# KiCad board ESP32-P4-PC_Rev_B.kicad_pcb (continued)
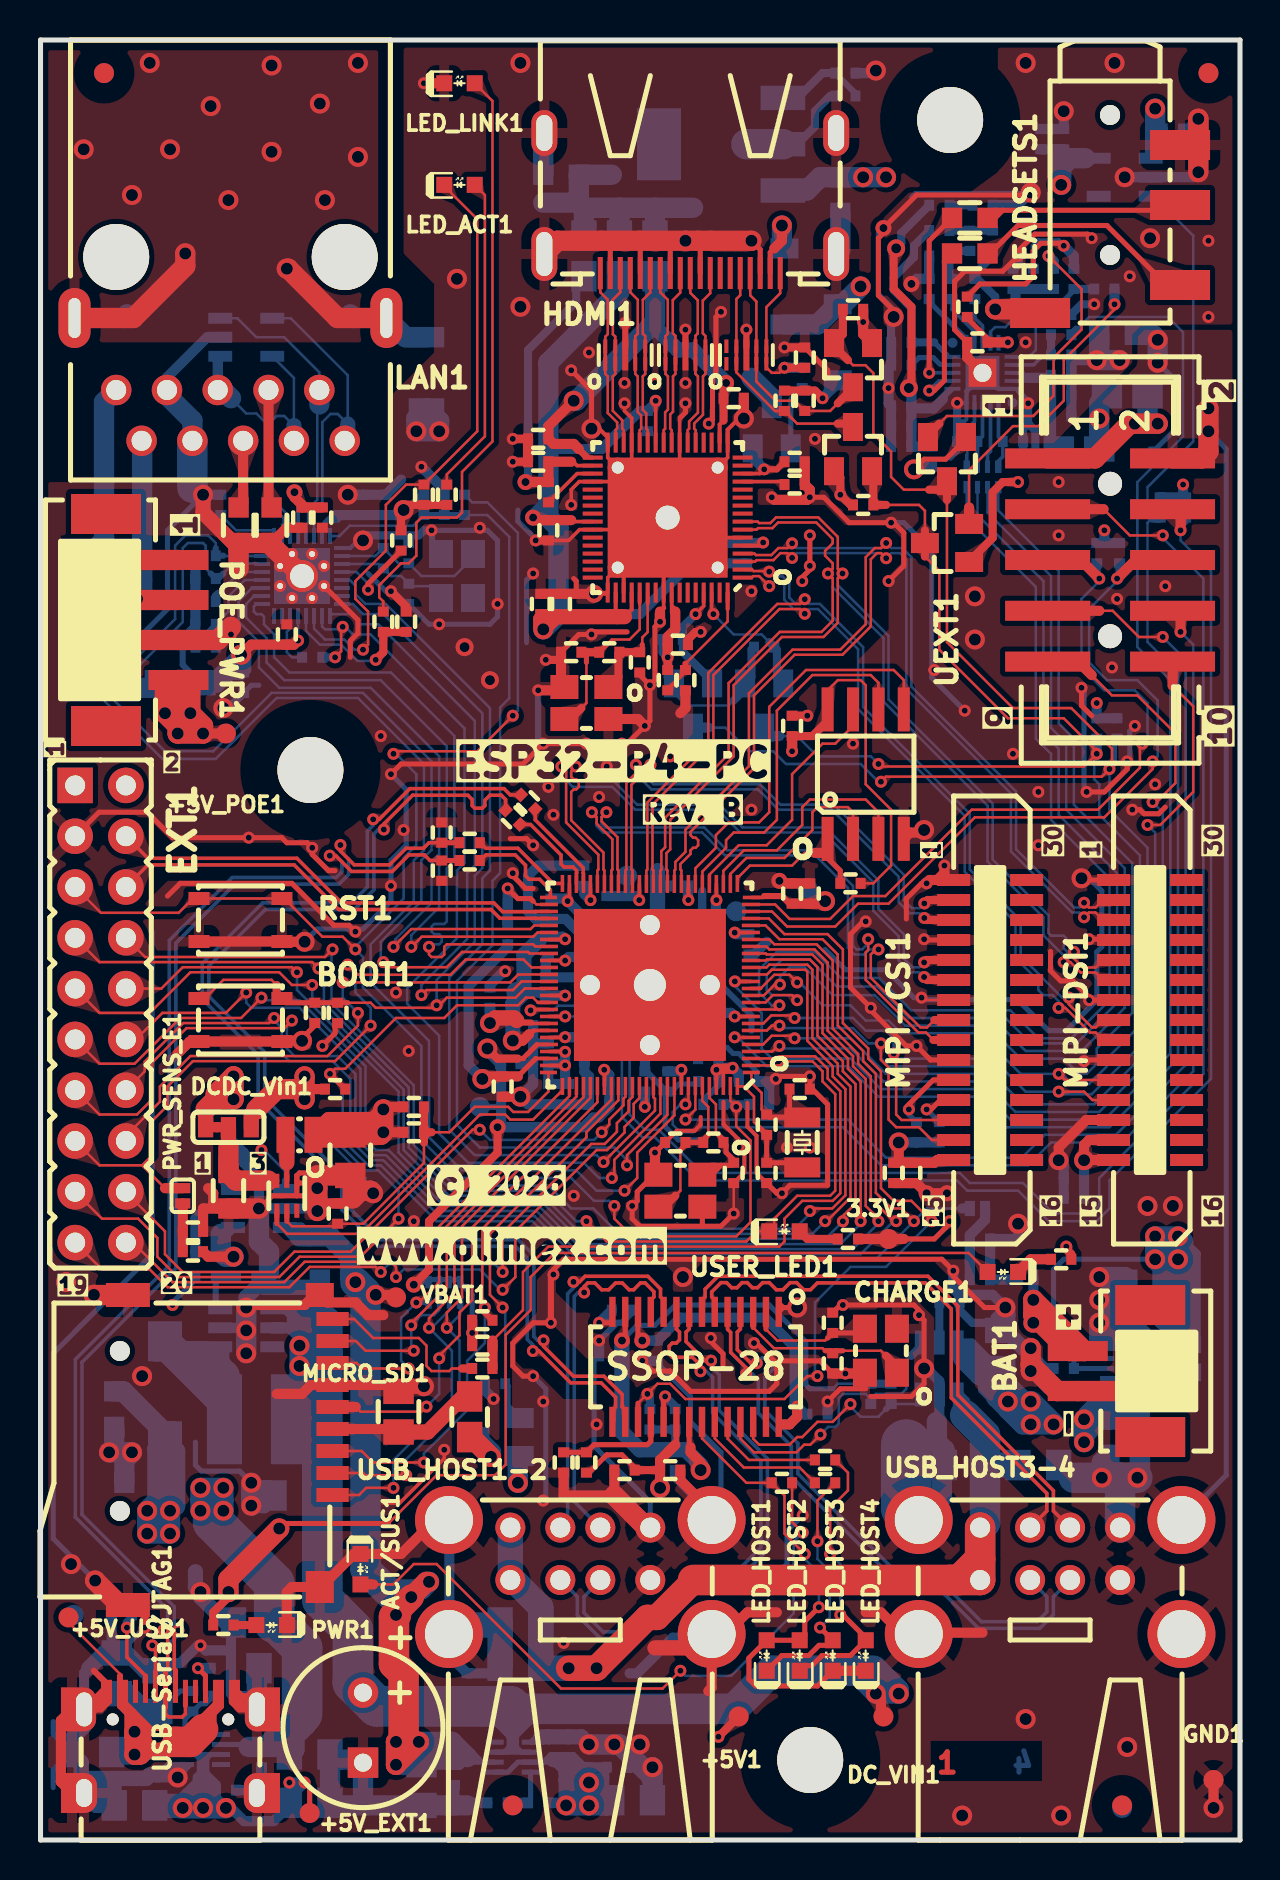
[diagram p0: board, top side]
## Routing (per net, layer and track width the routed paths; a pad name or vN(x,y) marks a point on that pad's centre or on a via; arc(x,y) is an arc through that point) (continued)
  Top w0.178: U10.6 U10.5
/TX_CKP: length 8.9
  Top w0.127: HDMI1.10 32.5,77.36 32.87,76.99 32.87,75.33 32.76,75.21 U10.7 ; U10.4 32.76,73.3 32.88,73.18 32.88,71.37 32.44,70.93 32.44,70.56 32.37,70.49 U12.22
  Top w0.178: U10.4 U10.7
/TX_HPD: length 3.6
  Top w0.178: v1(36.2,68.53) 35.98,68.32 U12.14
  Top w0.305: R65.1 36.83,68.53 v1(36.2,68.53)
  Bottom w0.508: Q5.2 35.62,69.1 v1(36.2,68.53)
/UART0_RX: length 73.1
  Top w0.127: 26.24,41.18 v1(26.24,41.18)
  Top w0.178: 25.43,41.18 26.24,41.18
  Top w0.508: v1(57.02,65.48) 57.02,66.5 56.99,66.54 UEXT1.4
  Bottom w0.127: v1(26.24,41.18) 26.98,41.18 29.08,39.07 29.08,36.15 30.1,35.13 30.74,35.13 32.89,32.97 45.85,32.97 46.36,32.47 48.9,32.47 50.42,30.94 52.83,30.94 53.47,31.58 53.47,32.98 58.55,38.06 58.55,63.45 57.02,64.98 v1(57.02,65.48)
  Bottom w0.406: v1(57.02,65.48) 57.02,65.74 57.28,65.99 R33.1
/UART0_TX: length 78.6
  Top w0.127: v1(56.13,65.23) 54.48,65.23 53.18,66.54
  Top w0.178: v1(24.51,41.48) 24.56,41.53 25.43,41.53
  Top w0.508: UEXT1.3 53.18,66.54
  Bottom w0.127: v1(56.13,65.23) 56.13,65.1 58.17,63.07 58.17,38.31 52.96,33.1 52.96,31.7 52.58,31.32 50.67,31.32 49.15,32.85 46.48,32.85 45.97,33.35 33.08,33.35 30.93,35.51 30.23,35.51 29.47,36.28 29.47,39.32 27.08,41.71 25.88,41.71 25.66,41.48 v1(24.51,41.48)
/USB1P1_0+: length 5.1
  Top w0.178: R25.2 22,48.97 22.28,49.25 23.75,49.25 24.26,48.74 24.26,48.21 24.44,48.04 24.96,48.04 25.5,47.5 25.5,47.22 U1.53
/USB1P1_0-: length 5
  Top w0.178: U1.52 25.64,47.83 23.88,49.58 22.28,49.58 22,49.86 R26.2
/USB1P1_0N: length 64.3
  Top w0.178: 6.75,8.48 6.69,8.54 6.69,10.28 v1(6.9,10.49) ; v1(15,49.75) 15,49.45 15.69,48.76 17.46,48.76 18.28,49.58 19.15,49.58 19.43,49.86 C27.1 ; v1(5.59,9.73) 5.75,9.57 5.75,8.43
  Top w0.254: USB-Serial/JTAG1.A7 6.75,8.48 ; R26.1 C27.1 ; 5.75,8.43 USB-Serial/JTAG1.B7
  Bottom w0.178: v1(5.59,9.73) 6.35,9.73 6.9,10.28 v1(6.9,10.49) 6.69,10.7 6.69,11.66 2.07,16.28 2.07,23.89 6.77,28.59 6.77,44.84 9.72,47.79 14.93,47.79 15.41,48.27 15.41,49.04 15,49.45 v1(15,49.75)
/USB1P1_0P: length 63.6
  Top w0.178: v1(14.47,49.22) 14.77,49.22 15.55,48.43 17.6,48.43 18.42,49.25 19.2,49.25 19.48,48.97 C28.1 ; 7.25,6.72 7.25,6.31 7.09,6.15 6.4,6.15 6.25,6.3 6.25,6.63 ; v1(6.15,10.49) 6.36,10.28 6.36,8.54 6.25,8.44
  Top w0.254: R25.1 C28.1 ; 7.25,6.72 USB-Serial/JTAG1.B6 ; 6.25,8.44 USB-Serial/JTAG1.A6 6.25,6.63
  Bottom w0.178: v1(14.47,49.22) 14.77,49.22 15.08,48.91 15.08,48.41 14.79,48.12 9.58,48.12 6.44,44.98 6.44,28.72 1.74,24.02 1.74,16.14 6.36,11.52 6.36,10.7 v1(6.15,10.49)
/USB_D1+: length 18.4
  Top w0.178: v1(27.19,27.37) 27.19,27.67 27.37,27.85 27.73,27.85 28.07,27.51 28.42,27.51 28.76,27.85 29.1,27.85 29.44,27.51 29.67,27.51 30.01,27.85 30.24,27.85 30.68,27.41 30.68,27.15 30.53,27 U7.11
  Bottom w0.178: USB_HOST1-2.1.3 26.7,16.92 26.7,27.18 26.89,27.37 v1(27.19,27.37)
/USB_D1-: length 18.5
  Top w0.178: U7.10 31.17,27 31.01,27.15 31.01,27.55 30.38,28.19 27.24,28.19 26.96,27.91 v1(26.66,27.91)
  Bottom w0.178: v1(26.66,27.91) 26.66,27.61 26.37,27.31 26.37,15.99 USB_HOST1-2.1.2
/USB_D2+: length 27.8
  Top w0.178: U7.9 31.81,25.55 31.96,25.4 31.96,25.01 31.8,24.84 31.6,24.84 31.45,24.69 31.45,24.29 31.6,24.13 32.61,24.13 33.01,23.73 v1(33.01,23.44)
  Bottom w0.178: v1(33.01,23.44) 33.31,23.44 33.62,23.13 33.62,21.35 36.03,18.93 36.03,14.63 34.6,13.2 32.64,13.2 29.85,10.41 28.15,10.41 27.18,11.37 27.18,12.17 28.02,13
/USB_D2-: length 27.8
  Top w0.178: v1(33.54,23.97) 33.24,23.97 32.29,24.92 32.29,25.4 32.45,25.55 U7.8
  Bottom w0.178: 26.02,13 26.85,12.17 26.85,11.23 28.01,10.07 29.98,10.07 32.78,12.87 34.74,12.87 36.36,14.49 36.36,19.07 33.95,21.48 33.95,23.26 33.54,23.67 v1(33.54,23.97)
/USB_D3+: length 28.1
  Top w0.178: U7.7 33.09,27 33.24,27.15 33.24,27.54 33.89,28.19 44.39,28.19 45.89,26.69 45.89,22.25 50.67,17.47 50.67,16.45 USB_HOST3-4.1.3
/USB_D3-: length 28
  Top w0.178: USB_HOST3-4.1.2 50.33,16.45 50.33,17.33 45.56,22.11 45.56,26.55 44.26,27.85 38.86,27.85 38.52,27.51 38.18,27.51 37.82,27.87 37.49,27.87 37.14,27.51 36.81,27.51 36.45,27.87 36.12,27.87 35.87,27.61 35.61,27.61 35.35,27.87 35.09,27.87 34.84,27.61 34.57,27.61 34.32,27.87 34.04,27.87 33.57,27.4 33.57,27.15 33.73,27 U7.6
/USB_D4+: length 28.3
  Top w0.178: v1(35.29,23.31) 35.29,23.61 34.52,24.38 34.52,25.38 34.37,25.53 U7.5
  Bottom w0.178: v1(35.29,23.31) 35.59,23.31 35.9,23 35.9,21.35 37.55,19.7 37.55,18.17 42.73,13 44.51,13 46.92,10.58 49.98,10.58 50.67,11.27 50.67,12.17 USB_HOST3-4.2.3
/USB_D4-: length 28.3
  Top w0.178: v1(35.83,23.84) 35.53,23.84 34.85,24.52 34.85,25.39 35.01,25.55 U7.4
  Bottom w0.178: USB_HOST3-4.2.2 50.33,12.17 50.33,11.4 49.84,10.91 47.06,10.91 44.65,13.33 42.87,13.33 37.89,18.31 37.89,19.83 36.23,21.48 36.23,23.14 36.63,23.53 36.63,23.88 36.4,24.11 36.09,24.11 v1(35.83,23.84)
/USB_D+: length 4.7
  Top w0.178: R15.1 24.51,50.77 26.04,49.25 26.04,48.8 26.19,48.64 26.64,48.64 26.82,48.47 26.82,48.35 26.81,48.34 U1.50
/USB_D-: length 4.7
  Top w0.178: R14.1 24.74,51.01 27.15,48.61 27.15,48.35 27.16,48.34 U1.49
/USB_DN: length 58.1
  Top w0.178: U7.15 28.61,21.5 28.76,21.65 28.76,22.14 28.04,22.86 26.52,22.86 24.93,24.45 v1(24.63,24.45) ; v1(16.64,51.03) 16.94,51.03 18.47,52.57 23.18,52.57 23.5,52.26 R14.2
  Bottom w0.178: v1(16.64,51.03) 16.64,50.73 16.35,50.44 16.35,47.65 15.55,46.85 11.11,46.85 8.09,43.84 8.09,42.05 10.88,39.25 10.88,36.97 15.08,32.78 15.08,31.51 16.9,29.68 23.76,29.68 24.35,29.09 24.35,25.03 24.63,24.75 v1(24.63,24.45)
/USB_DP: length 58.2
  Top w0.178: U7.16 29.25,21.5 29.09,21.65 29.09,22.28 28.18,23.19 26.66,23.19 25.16,24.69 v1(25.16,24.98) ; v1(17.17,50.52) 17.17,50.8 18.61,52.24 21.38,52.24 21.59,52.02 21.59,51.72 21.72,51.59 22.1,51.59 22.23,51.72 22.23,51.98 22.48,52.24 23.05,52.24 23.26,52.02 R15.2
  Bottom w0.178: v1(25.16,24.98) 24.86,24.98 24.68,25.17 24.68,29.23 23.89,30.01 17.04,30.01 15.41,31.64 15.41,32.91 11.22,37.11 11.22,39.39 8.42,42.19 8.42,43.7 11.25,46.52 15.69,46.52 16.68,47.51 16.68,50.3 16.9,50.52 v1(17.17,50.52)
/VD18_O: length 15.6
  Top w0.254: v4(30.1,24.97) 29.89,25.19 U7.12 ; 37.05,20.78 U7.28
  Top w0.508: 37.05,20.78 37.47,20.78 37.85,21.16 v1(37.85,21.67)
  Bottom w0.508: v4(30.1,24.97) C70.1 32,26.11 36.25,26.11 37.72,24.64 37.72,21.8 38.23,21.29 C71.1
/VD33_O: length 33.6
  Top w0.254: v4(29.08,24.97) 29.25,25.14 U7.13 ; U7.21 32.45,19.7 32.51,19.64
  Top w0.508: 32.51,19.64 32.51,19.38 33.02,18.88 v2(33.02,18.5)
  Bottom w0.127: 39.62,22.56 39.88,22.81 41.02,22.81
  Bottom w0.254: v4(29.08,24.97) 29.85,25.73 30.74,25.73 31.75,26.75 36.45,26.75 38.28,24.92 38.28,22.76 38.48,22.56 39.62,22.56
  Bottom w0.305: R66.2 41.02,22.81 ; C68.1 31.5,19.51
  Bottom w0.406: R54.1 R55.1 C68.1 ; R66.2 R67.2
  Bottom w0.508: 28.96,24.21 29.08,24.21
  Bottom w0.762: v2(33.02,18.5) 33.02,18.75 32.26,19.51 29.97,19.51 29.08,20.4 v4(29.08,24.97)
LT8912_VCCA: length 55.3
  Top w0.178: U12.5 35.99,64.72 v1(36.15,64.88) ; v1(30.77,71.96) U12.26 ; U12.41 26.62,65.92 26.54,65.99
  Top w0.203: 28.83,61.17 28.77,61.23 U12.50 ; 29.21,61.17 29.57,61.53 U12.52
  Top w0.254: C108.2 25.02,61.04 ; C107.2 26.04,61.17
  Top w0.406: v4(24.64,66.12) 24.77,65.99
  Top w0.508: 24.77,65.99 C109.2 26.54,65.99 ; 25.02,60.53 C108.2
  Top w0.762: 25.78,61.17 25.15,61.17 25.02,61.04 25.02,60.66 v2(25.15,60.53) 25.78,61.17 ; 25.78,61.17 29.21,61.17
  Bottom w0.508: 25.4,69.55 28.07,69.55 29.97,71.45 C96.1 30.77,71.87 v1(30.77,71.96) ; 25.91,61.29 29.97,61.29 33.53,64.85 C94.1 36.12,64.85 v1(36.15,64.88)
  Bottom w0.762: 25.4,66.12 v4(24.64,66.12) 25.4,66.88
  Bottom w1.016: v2(25.15,60.53) 25.91,61.29 25.91,65.61 25.4,66.12 25.4,66.88 25.4,73.87 28.96,77.42 L7.2
LT8912_VCCA_HDMIPLL: length 16
  Top w0.178: U12.34 26.84,68.72 26.65,68.91 26.54,68.91
  Top w0.508: 26.54,68.91 C111.2 C110.1 v4(24.26,67.9)
  Bottom w0.406: v4(24.26,67.9) 24.38,68.03 24.38,74.5 26.8,76.91 26.8,77.8 L6.2
LT8912_VDD: length 50.7
  Top w0.178: 31.75,61.42 31.75,61.55 31.57,61.73 ; 31.57,61.73 31.57,61.35 ; 31.57,61.73 U12.57 ; U12.33 27.46,69.12 27.03,69.55 26.93,69.55 26.93,69.42 27.23,69.12 U12.33
  Top w0.203: U12.18 33.97,70.78 34.16,70.97
  Top w0.406: v4(34.29,72.85) 34.16,72.72 C95.1 34.16,70.97 ; v1(31.37,59.13) R85.2
  Top w0.508: v1(31.37,59.13) C106.2 31.37,60.15 31.75,60.53 31.75,61.42 ; v2(26.67,71.96) 25.4,70.69 C112.2 25.66,69.8 26.67,69.8 26.93,69.55
  In1.Cu w0.762: v1(31.37,59.13) 29.97,60.53 29.97,64.72 26.42,68.28 26.42,71.71 v2(26.67,71.96)
  Bottom w0.127: 32.26,56.98 32.51,56.72 34.42,56.72 34.67,56.98
  Bottom w0.406: 34.67,56.98 35.25,57.55 FET5.1 35.56,58.14 35.56,59.52 R61.1 ; 32.26,56.98 31.69,57.54 FET6.1 31.37,58.15 v1(31.37,59.13) 31.12,59.39 R62.1
  Bottom w0.762: 30.61,75.77 31.88,74.5 32.64,74.5 v4(34.29,72.85)
  Bottom w1.016: L8.2 30.74,75.9 26.8,71.96 v2(26.67,71.96)
Net-(VR1-ADJ/GND): length 4.7
  Bottom w0.305: R50.2 40.77,87.33 R52.2
  Bottom w0.406: VR1.1 37.87,87.1 39.12,88.34 R50.2
Net-(ACT/SUS1-A): length 33.4
  Top w0.127: v1(38.13,15.37) 37.59,15.9 37.59,17.86 ; 16.64,12.78 17.65,12.78 18.67,13.8 19.81,13.8 26.04,7.57 31.12,7.57 v1(32,8.46)
  Top w0.508: ACT/SUS1.2 16.64,12.78
  Bottom w0.127: v1(32,8.46) 32.26,8.21 34.54,8.21 37.67,11.33 37.67,14.91 v1(38.13,15.37)
Net-(BAT_SENS_E1-Pad1): length 3.9
  Bottom w0.508: BAT_SENS_E1.1 47.25,31 46.48,30.24 C115.2 R96.1 R90.2
Net-(BAT_SENS_E2-Pad1): length 1.4
  Bottom w0.508: BAT_SENS_E2.1 48.77,28.02 R90.1
Net-(C104-Pad1): length 4.6
  Bottom w0.406: R82.1 R80.1 R79.1 R78.1 C104.1
Net-(CHARGE1-K): length 1.9
  Top w0.508: CHARGE1.1 49.53,29.04 R91.1
Net-(D2-K): length 3.3
  Top w0.406: v1(39.12,72.09) 38.74,72.47 R84.1 R88.1
  Bottom w0.508: D2.1 39.88,72.85 v1(39.12,72.09)
Net-(FET3-S): length 16.2
  Top w0.127: v1(50.42,79.2) 52.07,77.55 52.07,75.52 50.67,74.12 50.67,72.22 49.66,71.2 45.34,71.2 44.96,70.82
  Top w0.406: FET3.2 44.39,70.25 44.96,70.82
  Bottom w0.508: R59.2 50.67,78.95 v1(50.42,79.2)
Net-(FET4-S): length 15.5
  Top w0.127: v1(53.72,76.79) 53.72,76.53 51.18,73.99 51.18,71.96 49.91,70.69 48.64,70.69 46.45,68.5 46.45,66.63
  Top w0.508: 46.45,66.63 FET4.2
  Bottom w0.508: v1(53.72,76.79) R58.2
Net-(LAN1-RCT): length 3.4
  Top w0.508: LAN1.5 10.13,66.86 C16.2
Net-(LAN1-TCT): length 5.9
  Top w0.508: LAN1.4 11.41,66.78 C15.2
Net-(LED_ACT1-A): length 16
  Top w0.127: LED_ACT1.2 22.23,82.25 22.23,70.18 20.32,68.28 R8.1
Net-(LED_HOST1-K): length 12.9
  Top w0.127: R72.2 38.86,16.97 v1(38.86,14.94)
  Top w0.254: v1(38.99,10.62) LED_HOST3.2 39.37,9.73 38.94,9.73 38.43,9.22 37.09,9.22 LED_HOST1.1
  Bottom w0.127: v1(38.86,14.94) 38.86,14.05 39.47,13.44 39.47,11.1 v1(38.99,10.62)
Net-(LED_HOST2-K): length 14.4
  Top w0.127: R73.2 40.39,18.37 40.39,17.48 39.5,16.59 v1(39.5,14.3)
  Top w0.254: v1(40.01,11.26) 40.13,11.26 41.28,10.11 LED_HOST4.2 40.51,9.22 39.09,9.22 38.58,8.72 38.23,8.72 LED_HOST2.1
  Bottom w0.127: v1(39.5,14.3) 40.01,13.8 v1(40.01,11.26)
Net-(LED_LINK1-A): length 30.5
  Top w0.127: R9.1 17.15,61.93 16.94,62.13 16.94,62.74 18.03,63.83 18.42,63.83 18.8,64.22 18.8,65.87 19.05,66.12 20.83,66.12 21.08,66.37 21.08,68.41 22.61,69.93 22.61,86.95 LED_LINK1.2
Net-(MICRO_SD1-Pad9): length 8.5
  Top w0.127: MICRO_SD1.9 15.69,26.05 16.64,25.1 18.92,25.1 19.31,24.72 19.31,23.7 19.56,23.45 20.45,23.45 20.57,23.58 21.08,23.58
  Top w0.406: 21.08,23.58 21.59,23.58
Net-(PWR1-A): length 1.1
  Top w0.406: 9.65,10.75 PWR1.2
Net-(PWR_SENS_E1-Pad1): length 2.4
  Top w0.508: PWR_SENS_E1.1 R94.1 R36.2
Net-(Q5-B): length 3.3
  Bottom w0.254: R71.1 37.53,72.02 Q5.1
Net-(U1-CSI_REXT): length 1.7
  Top w0.178: v1(27.51,46.99) 27.51,47 U1.48
  Bottom w0.508: v1(27.51,46.99) 27.2,47.3 27.2,47.68 R2.1
Net-(U1-DSI_REXT): length 1.5
  Top w0.178: v1(32.41,47) U1.34
  Bottom w0.508: R1.1 32.39,47.02 v1(32.41,47)
Net-(U1-GPIO0/XTAL_32K_N): length 6.5
  Top w0.127: 35.94,35.64 35.69,35.89 35.69,37.16 35.18,37.68 U1.104
  Top w0.254: 35.94,35.64 R13.1 C1.2 37.87,33.86 Q1.1
Net-(U1-GPIO1/XTAL_32K_P): length 6.4
  Top w0.127: 36.32,36.28 36.07,36.53 36.07,37.35 35.56,37.87 U1.1
  Top w0.254: 37.99,36.02 Q1.2 37.47,36.13 C2.2 ; 37.99,36.28 37.87,36.15 36.45,36.15 36.32,36.28
Net-(U1-NC(VDD_HP_1)): length 4.2
  Top w0.127: 24.64,46.94 24.81,46.78 25.43,46.78
  Top w0.254: 24.64,46.94 24.51,47.07 23.88,47.07 v1(23.37,47.58)
  Bottom w0.508: v1(23.37,47.58) C33.2 R40.2
Net-(U1-XTAL_N): length 7.9
  Top w0.127: 32,34.5 32,32.47 31.75,32.21 ; 33.4,35.26 33.4,36.66 33.11,36.95 U1.99
  Top w0.254: 32,34.5 32.26,34.75 C45.2 R32.2 33.15,35 33.4,35.26
  Top w0.406: Q3.2 31.21,31.67 31.75,32.21
Net-(U1-XTAL_P): length 7.3
  Top w0.127: 33.91,35.26 33.78,35.39 33.78,36.78 33.46,37.11 U1.100
  Top w0.254: 33.91,35.26 34.16,35 R32.1 34.29,34.75 34.29,34.38 34.67,34 C44.2 34.54,33.73 34.04,33.73 ; 34.04,33.73 33.57,33.27 Q3.1 33.57,33.73 34.04,33.73
Net-(U2-COL/RMII): length 4.5
  Top w0.254: v1(16.38,62.51) 16.38,62.82 R21.2
  Bottom w0.127: v1(16.38,62.51) 16.38,62.82 15.8,63.4 U2.4
Net-(U2-CRS/LEDMOD): length 5.2
  Bottom w0.127: R22.2 9.4,61.42 9.4,62.18 10.22,63 11.08,63
  Bottom w0.254: R22.2 7.75,59.77 R23.2
Net-(U2-ISET): length 3.3
  Bottom w0.127: U2.25 11.68,65.48 9.78,65.48 R17.1
Net-(U2-REGOUT): length 4.2
  Top w0.508: C18.1 C19.1 13.08,66.75 12.7,67.14 v4(12.7,67.39)
  Bottom w0.178: v4(12.7,67.39) 12.88,67.21 U2.28
Net-(U2-X1): length 7.8
  Bottom w0.127: U2.2 16.75,64.2 R20.2 17.91,63.83 C24.2 19.05,63.2 20.7,63.2 21.63,64.13 21.63,64.3
Net-(U2-X2): length 5.7
  Bottom w0.127: Q2.2 19.44,62.69 18.54,62.69 C25.2 18.03,63.2 17.53,63.2 R20.1 16.93,63.8 U2.3
Net-(U4-FB): length 3.4
  Bottom w0.254: C59.1 R44.1 R45.1 U4.5
Net-(U5-SW): length 2.3
  Top w0.254: U5.2 12.32,33.86
  Top w0.762: L4.1 12.32,35.19 12.32,33.86
Net-(U6-ISET): length 2
  Bottom w0.406: U6.5 R51.2
Net-(U7-BUSJ): length 2.1
  Top w0.127: v1(31.24,22.18) 31.17,22.1
  Top w0.254: 31.17,22.1 U7.19
  Bottom w0.406: 31.75,21.54 31.75,21.67 v1(31.24,22.18)
Net-(U7-REXT): length 2.1
  Top w0.254: U7.14 28.61,25.86 v1(27.94,25.86)
  Bottom w0.508: v1(27.94,25.86) R53.2
Net-(U7-VBUSM): length 5.6
  Top w0.254: R70.1 R69.1 27.69,19.77 30.35,19.77 30.53,19.94 U7.18
Net-(U7-XI): length 9.2
  Top w0.127: 35.65,25.63 36.68,24.59 39.12,24.59 39.24,24.46 ; 40.13,24.46 42.04,24.46 42.29,24.21
  Top w0.254: 39.24,24.46 39.5,24.46 C72.1 39.75,24.46 40.13,24.46 ; 35.65,25.63 U7.3
  Top w0.406: 42.29,24.21 42.84,23.66 Q4.1
Net-(U7-XO): length 6.3
  Top w0.127: 39.37,25.1 39.24,24.97 36.85,24.97 36.29,25.54
  Top w0.254: 36.29,25.54 U7.2 ; 39.37,25.1 39.62,25.35 41.03,25.35 Q4.2
Net-(U8-ASDOUT): length 3.3
  Bottom w0.178: RM2.2.2 47.37,69.29 47.52,69.44 U8.7
Net-(U8-AVDD): length 17.7
  Top w0.406: v3(43.44,72.6) 43.56,72.72 43.56,76.66 42.67,77.55 42.67,79.45 v3(42.8,79.58)
  Bottom w0.178: 45.14,72.04 45.62,72.52 U8.11 45.43,72.56 44.96,72.09
  Bottom w0.406: v3(42.8,79.58) 43.05,79.84 43.05,80.34 R78.2
  Bottom w0.508: C101.2 C100.1 C99.1 R77.2 ; C101.2 43.56,72.47 v3(43.44,72.6) ; C101.2 43.69,71.58 44.68,71.58 45.14,72.04
Net-(U8-CCLK/SCL): length 6.2
  Bottom w0.127: 49.44,74.16 49.78,74.5 49.78,75.65 50.42,76.28 C77.1
  Bottom w0.178: U8.1 49.44,74.16
  Bottom w0.254: R56.1 51.69,77.49 50.55,76.34 C77.1
  Bottom w0.406: R56.1 R58.1
Net-(U8-CDATA/SDA): length 5.6
  Bottom w0.127: 47.52,75.41 47.75,75.65 48.26,75.65 48.77,76.15 48.77,77.17
  Bottom w0.178: U8.19 47.52,75.41
  Bottom w0.508: 48.9,77.55 48.77,77.42 48.77,77.17 ; 48.9,77.55 C78.1 ; 48.9,77.55 R57.1 R59.1
Net-(U8-CE/AD0): length 3.2
  Top w0.254: R63.1 46.36,76.09 47.37,75.07 R64.1
  Top w0.508: R64.1 v1(48.39,74.88)
  Bottom w0.178: U8.20 48.36,74.86 v1(48.39,74.88)
Net-(U8-DACVREF): length 2.4
  Bottom w0.178: U8.14 45.02,73.76 44.98,73.79
  Bottom w0.254: 44.98,73.79 44.65,74.12 43.94,74.12 C88.1
Net-(U8-DSDIN): length 3.4
  Bottom w0.127: 46.33,69.27 46.36,69.3 46.36,70.56
  Bottom w0.178: RM2.4.2 46.33,69.27 ; U8.9 46.72,70.93 46.36,70.56
Net-(U8-DVDD): length 6.8
  Bottom w0.178: U8.4 49.26,72.96 49.4,73.1 49.15,73.36 U8.3
  Bottom w0.508: L5.2 50.55,69.93 C83.1 C87.1 C85.1 50.42,73.1 49.4,73.1
Net-(U8-LRCK): length 3.3
  Bottom w0.178: U8.8 47.12,70.18 C79.1 46.87,69.93 RM2.3.2
Net-(U8-MCLK): length 3.1
  Bottom w0.178: C81.1 50.42,74.12 50.04,74.12 49.68,73.76 U8.2
  Bottom w0.406: C81.1 R60.1
Net-(U8-MIC1N): length 2.6
  Bottom w0.178: C97.2 45.59,76.53 46.72,75.41 U8.17
Net-(U8-MIC1P/DMIC_SDA): length 2.3
  Bottom w0.178: C98.2 46.74,76.09 47.12,75.71 U8.18
Net-(U8-OUTN): length 9.4
  Top w0.254: C102.2 44.45,79.96 v1(44.45,73.36)
  Bottom w0.178: v1(44.45,73.36) U8.13
Net-(U8-OUTP): length 8.8
  Top w0.254: C103.2 45.21,78.95 45.21,72.98 44.71,72.47 v1(44.45,72.47)
  Bottom w0.178: U8.12 44.94,72.96 v1(44.45,72.47)
Net-(U8-SCLK/DMIC_SCL): length 3.4
  Bottom w0.178: RM2.1.2 47.91,68.94 48.13,69.17 C80.1 47.92,70.15 U8.6
Net-(U8-VMID): length 3
  Bottom w0.178: U8.16 46.32,75.05 46.23,75.14
  Bottom w0.254: C84.1 44.45,76.91 46.23,75.14
Net-(U12-LPF): length 2.8
  Top w0.178: C110.2 26.84,68.32 U12.35
Net-(U12-R6K): length 2.2
  Top w0.178: R76.2 37.06,67.92 U12.13
Net-(U12-RESET_N): length 6.1
  Top w0.127: 34.37,61.55 34.37,60.93 32.26,58.82
  Top w0.178: R85.1 31.37,57.53 32.26,58.42 C105.2
  Top w0.203: U12.64 34.37,61.55
  Top w0.305: 32.26,58.82 C105.2
Net-(U12-XTALI): length 9.2
  Top w0.127: 27.05,56.59 27.31,56.85 27.31,58.88 ; 29.97,61.8 29.97,60.53 29.47,60.02 28.58,60.02 28.32,59.77
  Top w0.178: U12.53 29.97,61.8
  Top w0.254: R87.2 28.32,59.77 ; 27.31,59.39 27.31,58.88
  Top w0.406: 27.05,56.59 26.51,56.05 Q6.2 ; R87.2 C114.2
Net-(U12-XTALO): length 6.1
  Top w0.127: 30.37,61.8 30.37,60.4 30.1,60.13 30.1,59.77
  Top w0.178: U12.54 30.37,61.8
  Top w0.254: 30.1,59.77 30.1,59.52 C113.2
  Top w0.406: Q6.1 28.91,58.15 28.91,59.34 28.96,59.39 C113.2
Net-(U13-PR1): length 2.6
  Bottom w0.254: U13.4 7.23,6.04 R24.1 8,6.81 8.26,6.81 R89.1
Net-(U14-FB): length 2.8
  Bottom w0.305: R95.2 8.76,26.56 U14.3
  Bottom w0.508: R95.2 R98.1
Net-(U15-CHRGb): length 66.8
  Top w0.406: R91.2 51.56,29.29 51.31,29.54 v1(51.31,29.67)
  In1.Cu w0.127: v1(11.05,34.5) 11.05,32.97 11.69,32.34 11.69,30.16 13.46,28.39 13.46,25.86 14.1,25.23 14.1,20.65 15.11,19.64 19.31,19.64 20.83,18.11 21.34,18.11 22.48,16.97 24.26,16.97 24.89,17.61 28.83,17.61 31.75,20.53 34.54,20.53 35.31,19.77 37.59,19.77 38.86,21.03 39.62,21.03 39.88,21.29 39.88,21.92 40.26,22.31 47.12,22.31 47.5,22.69 50.17,22.69 51.18,23.7 51.18,29.54 v1(51.31,29.67)
  Bottom w0.127: 12.22,32.97 12.22,33.45 11.18,34.5 v1(11.05,34.5)
  Bottom w0.305: U15.1 12.22,32.97
Net-(U15-PROG): length 1.8
  Bottom w0.508: U15.5 9.15,33 R102.1
Net-(U16-PR1): length 2.6
  Bottom w0.254: U16.4 24.51,3.38 24.51,1.98 R105.1
  Bottom w0.508: R103.1 R105.1
Net-(USB-Serial/JTAG1-CC1): length 4.3
  Top w0.178: v1(4.32,10.62) 4.32,9.14 5.25,8.21
  Top w0.254: 5.25,8.21 USB-Serial/JTAG1.A5
  Bottom w0.406: R6.2 4.57,11.13 4.32,10.88 v1(4.32,10.62)
Net-(USB-Serial/JTAG1-CC2): length 1.9
  Top w0.254: v1(7.88,8.59) 8.25,8.21 USB-Serial/JTAG1.B5
  Bottom w0.508: R5.2 v1(7.88,8.59)
Net-(USER_LED1-A): length 2.1
  Top w0.406: USER_LED1.2 38.35,30.05 R4.2

## Copper pours and planes (outline as drawn; the poured copper is in the pictures)
+3.3V on In1.Cu: -10.54,104.22 73.28,104.22 73.28,-10.08 -10.54,-10.08
GND on Top, Bottom: -15.62,106.76 78.36,106.76 78.36,-16.43 -15.62,-16.43
GND on In1.Cu: 50.67,26.37 50.67,22.31 42.42,22.31 38.86,18.88 27.56,18.88 23.62,22.69 23.62,24.97 25.27,26.62 25.27,28.91 48.01,28.91
GND on In1.Cu: 59.82,75.52 59.69,0.21 0.25,0.21 0.25,28.66 10.41,28.66 13.84,25.23 13.84,20.53 15.11,19.26 19.43,19.26 21.84,16.84 24.38,16.84 25.02,17.48 29.21,17.48 30.35,18.62 51.94,18.62 51.94,21.92 56.52,21.92 58.55,23.96 58.55,68.28 57.53,69.3 57.53,75.52
GND on In2.Cu: -5.46,101.68 68.2,101.68 68.2,-5 -5.46,-5
GNDA on Top, Bottom, In1.Cu, In2.Cu: 42.16,68.91 42.16,81.11 43.44,82.38 46.48,82.38 47.88,83.39 47.88,89.74 59.82,89.74 59.82,75.77 55.12,75.77 54.61,75.26 54.61,73.87 49.78,68.91
VCC_1.8V on Bottom: 39.37,77.04 37.21,74.88 37.21,72.47 34.93,72.47 31.37,76.03 31.37,78.82 18.29,78.82 18.29,89.87 39.37,89.74
/LAN_Shield on Top, In1.Cu, In2.Cu: 0.38,74.88 17.4,74.88 17.4,89.49 0.38,89.49
/LAN_Shield on Bottom: 0.38,74.88 5.34,74.88 7.88,77.42 12.57,77.42 15.11,74.88 17.02,74.88 17.02,89.49 0.38,89.49

Small or netless copper shapes (teardrops, artwork), in the pictures only: 625 on Top, 450 on Bottom, 9 on In1.Cu

## Text on the board
Bottom: 4
B.Silkscreen: 20 | 2 | 5V | IO26 | IO27 | IO14 | IO16 | IO18 | IO20 | IO33 | IO46 | IO48 | 1 | GND | 19 | 3.3V | IO02 | IO15 | IO19 | IO32 | IO36 | IO17 | IO47 | ESP_EN | + | www.olimex.com | RXD | SDA | MOSI | CS | 10 | +3.3V | TXD | SCL | MISO | SCK | 9 | ESP32-P4-PC | EXT1 | UEXT1
Top: 1
F.Silkscreen: 19 | 20 | 2 | 1 | 3 | (c) 2026 | Rev. B | 9 | 10 | www.olimex.com | ESP32-P4-PC
In1.Cu: 2
In2.Cu: 3
